# Altium PCB HIVE_BOARD.PcbDoc (part 5 of 9) (continued)
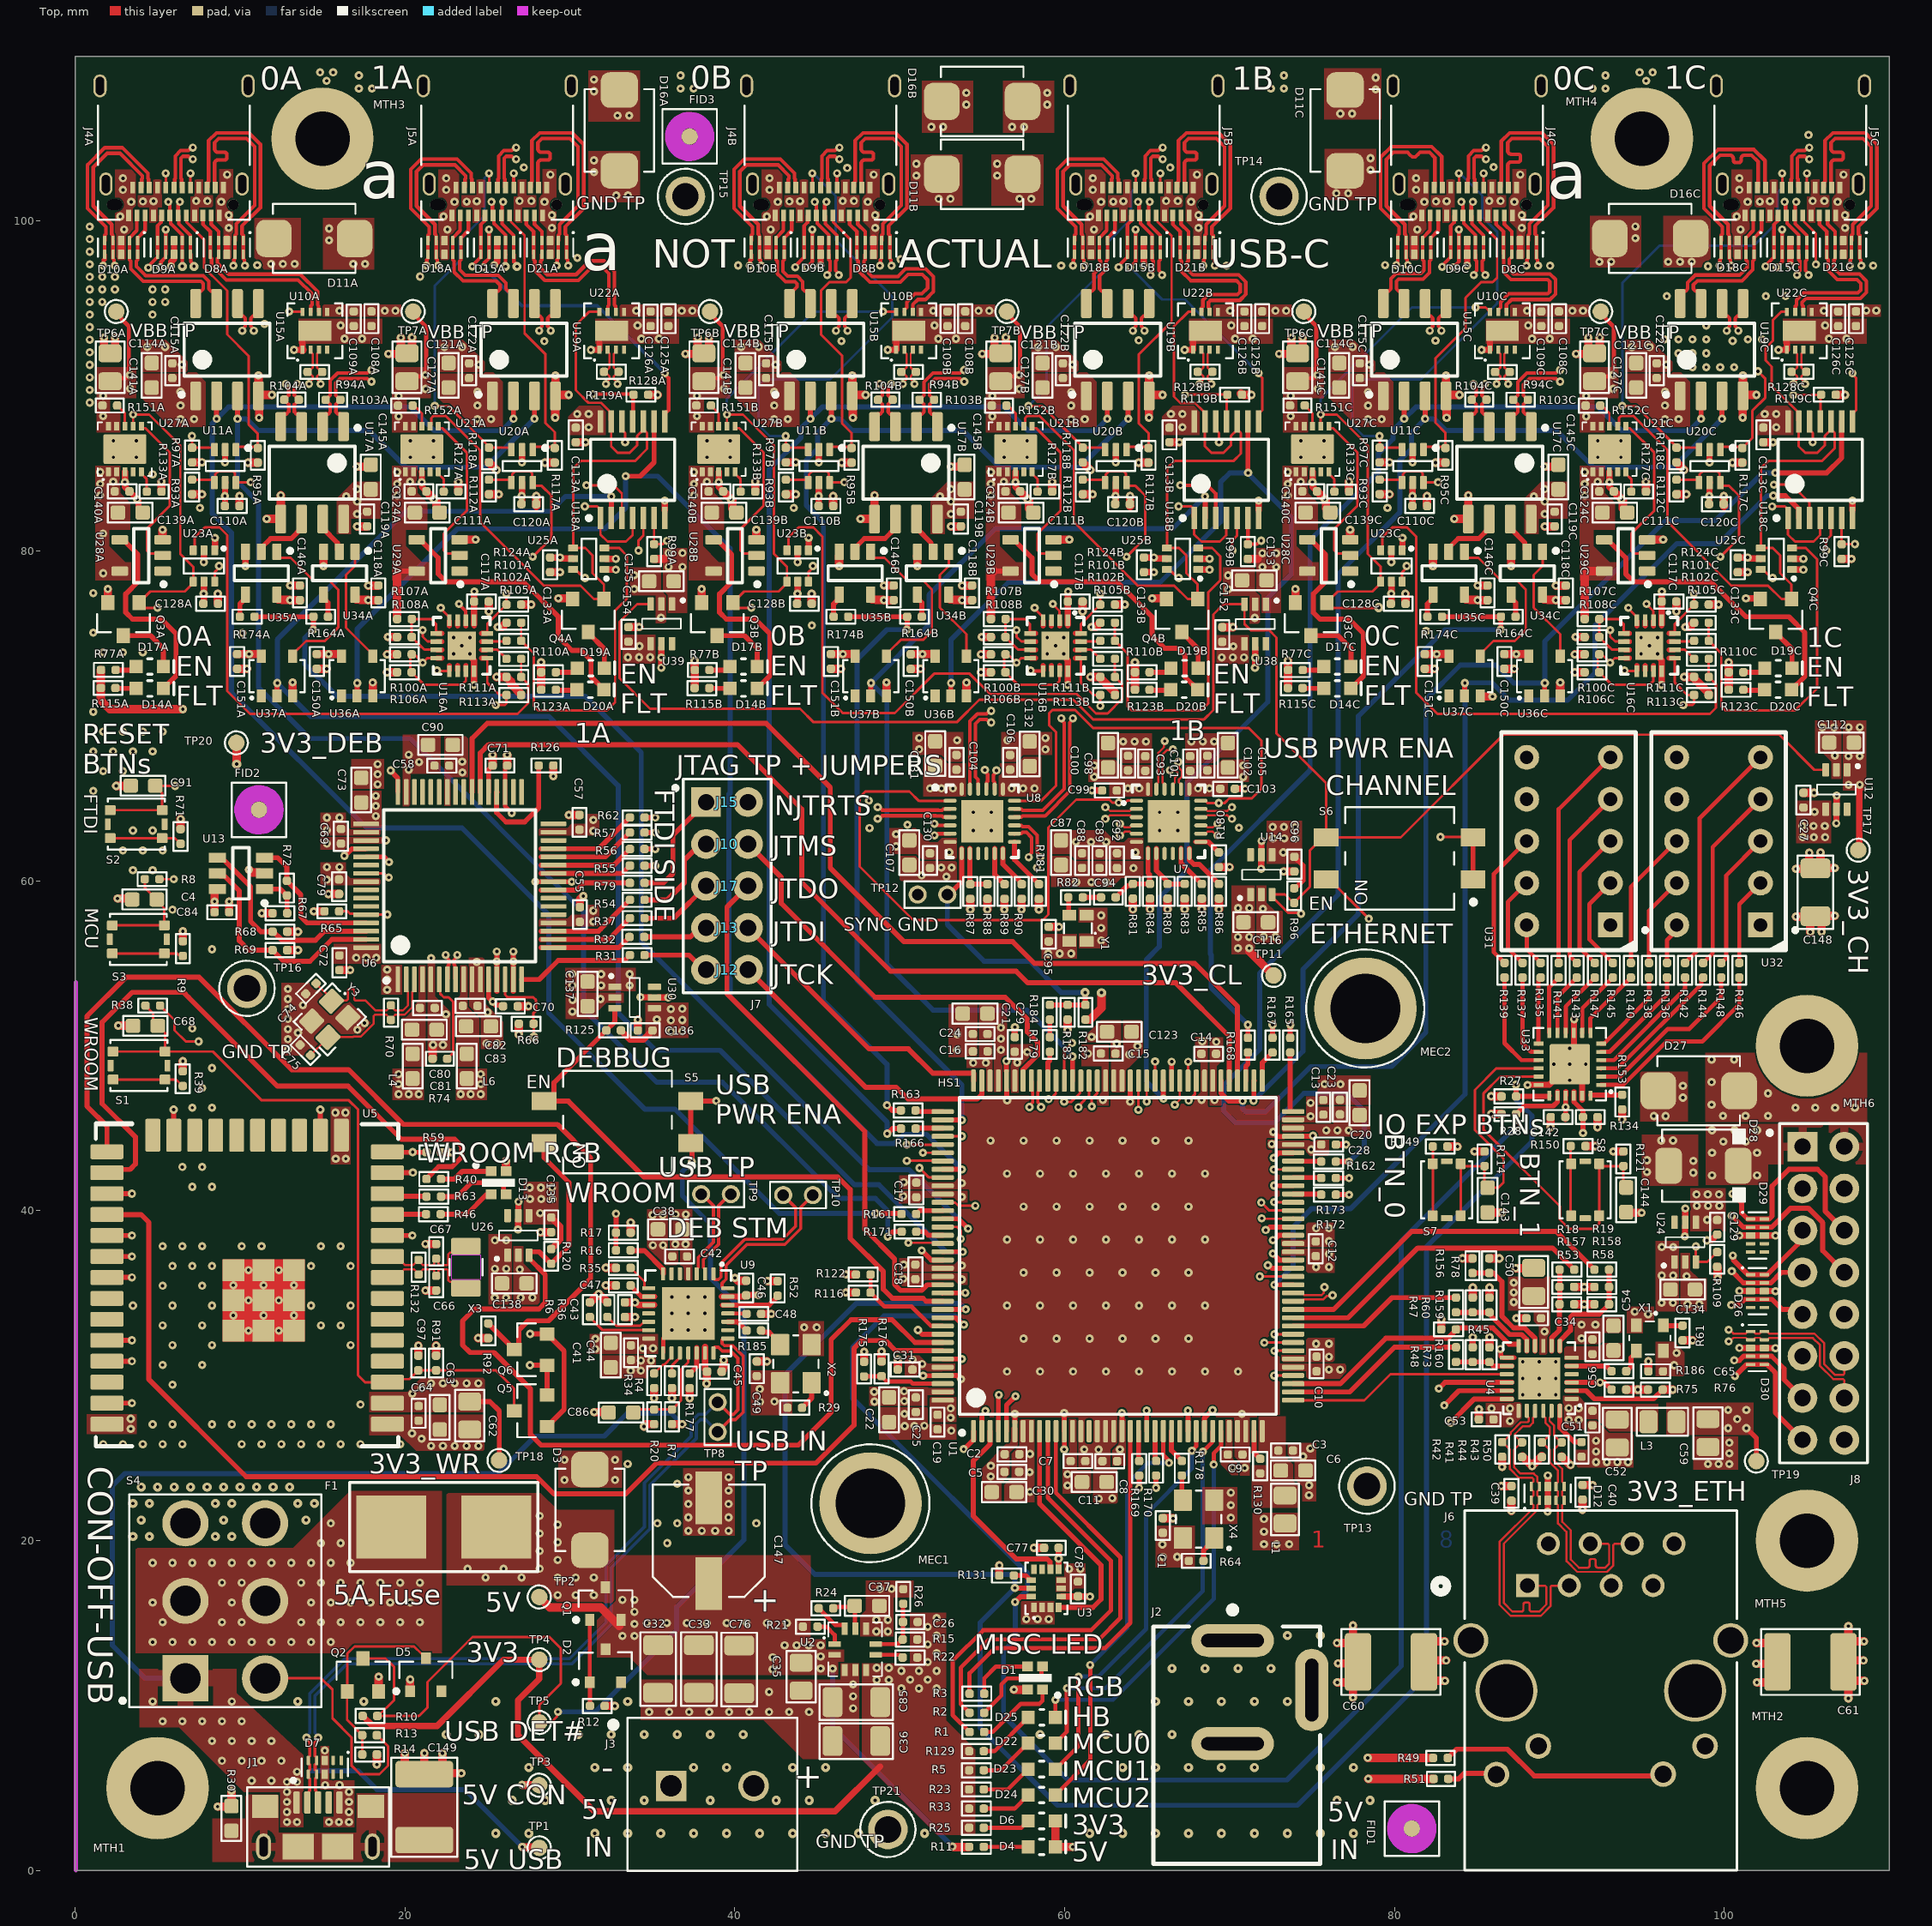
[diagram p0: Top view]
## Nets (pads, with @x,y where several pads share a name; then routed paths per layer and width w, separated by ;. In a path a pad name is that pad's centre, name@x,y a point inside that pad or via, vN(x,y) a via of type N, cw(c..) or ccw(c..) an arc to the next point about the centre after c; other vN are vias at no path point) (continued)
CHAN_EN_1A: U1.114 U25A.6 | length 47.3
  Top w0.152: U25A.6@30.2,78.88 30.334,78.747 30.475,78.747 30.856,78.366 v1(30.918,78.366) ; v1(51.404,43.523) 51.408,43.519 52.597,43.519 U1.114@52.601,43.514
  Signal_2 w0.152: v1(30.918,78.366) 32.647,76.637 33.599,76.637 37.469,72.767 43.934,66.302 43.934,48.788 49.199,43.523 v1(51.404,43.523)
CHAN_EN_1B: U1.84 U25B.6 | length 41.7
  Top w0.152: U25B.6@66.2,78.88 66.334,78.747 66.475,78.747 66.856,78.366 v1(66.918,78.366)
  Top w0.305: U1.84@66.482,47.895 v1@66.482,49.033
  Signal_2 w0.152: v1(66.487,49.039) 67,48.526 67.641,48.526 68.326,49.211 70.819,49.211 71.899,50.292 71.899,53.433 75.7,57.234 75.7,66.659 66.918,75.441 v1(66.918,78.366)
CHAN_EN_1C: U1.52 U25C.6 | length 67.2
  Top w0.152: v1(71.831,36.017) U1.52@73.438,36.019 ; U25C.6@102.2,78.88 102.334,78.747 102.475,78.747 102.856,78.366 v1(102.918,78.366)
  Signal_2 w0.152: v1(71.831,36.017) 71.831,35.12 73.339,33.612 79.561,33.612 86.686,40.737 86.686,48.319 90.943,52.576 94.366,55.999 94.366,67.417 96.348,69.399 98.072,69.399 102.918,74.245 v1(102.918,78.366)
CHAN_FLAG_0A: U27A.6 U28A.2 | length 10.1
  Top w0.152: U27A.6@4.023,87.567 4.023,87.452 4.025,87.45 4.262,87.45 5.748,85.963 5.748,82.74 4.352,81.344 4.352,80.032 4.531,79.853 5.191,79.853 U28A.2@5.313,79.731
CHAN_FLAG_0B: U27B.6 U28B.2 | length 10.1
  Top w0.152: U27B.6@40.023,87.567 40.023,87.452 40.025,87.45 40.262,87.45 41.748,85.963 41.748,82.74 40.352,81.344 40.352,80.032 40.531,79.853 41.191,79.853 U28B.2@41.313,79.731
CHAN_FLAG_0C: U27C.6 U28C.2 | length 10.1
  Top w0.152: U27C.6@76.023,87.567 76.023,87.452 76.025,87.45 76.262,87.45 77.748,85.963 77.748,82.74 76.352,81.344 76.352,80.032 76.531,79.853 77.191,79.853 U28C.2@77.313,79.731
CHAN_FLAG_1A: U21A.6 U29A.2 | length 10.1
  Top w0.152: U21A.6@22.023,87.567 22.023,87.452 22.025,87.45 22.262,87.45 23.748,85.963 23.748,83.313 23.748,82.449 22.352,81.053 22.352,80.032 22.531,79.853 23.191,79.853 U29A.2@23.313,79.731
CHAN_FLAG_1B: U21B.6 U29B.2 | length 10.1
  Top w0.152: U21B.6@58.023,87.567 58.023,87.452 58.025,87.45 58.262,87.45 59.748,85.963 59.748,83.313 59.748,82.449 58.352,81.053 58.352,80.032 58.531,79.853 59.191,79.853 U29B.2@59.313,79.731
CHAN_FLAG_1C: U21C.6 U29C.2 | length 10.1
  Top w0.152: U21C.6@94.023,87.567 94.023,87.452 94.025,87.45 94.262,87.45 95.748,85.963 95.748,83.313 95.748,82.449 94.352,81.053 94.352,80.032 94.531,79.853 95.191,79.853 U29C.2@95.313,79.731
CHAN_FLT#_0A: D14A.K U28A.4 | length 12.5
  Top w0.305: U28A.4@2.713,80.681 2.938,80.681 3.086,80.533 3.086,80.518 3.81,79.794 3.81,78.13 3.075,77.395 3.075,76.275 3.48,75.87 5.241,75.87 6.121,74.99 6.121,72.432 D14A.K@5.355,71.666
CHAN_FLT#_0B: D14B.K U28B.4 | length 12.5
  Top w0.305: U28B.4@38.713,80.681 38.938,80.681 39.086,80.533 39.086,80.518 39.81,79.794 39.81,78.13 39.075,77.395 39.075,76.275 39.48,75.87 41.241,75.87 42.121,74.99 42.121,72.432 D14B.K@41.355,71.666
CHAN_FLT#_0C: D14C.K U28C.4 | length 12.5
  Top w0.305: U28C.4@74.713,80.681 74.938,80.681 75.086,80.533 75.086,80.518 75.81,79.794 75.81,78.13 75.075,77.395 75.075,76.275 75.48,75.87 77.241,75.87 78.121,74.99 78.121,72.432 D14C.K@77.355,71.666
CHAN_FLT#_1A: D20A.K U29A.4 | length 17
  Top w0.305: U29A.4@20.713,80.681 20.938,80.681 21.061,80.558 21.061,80.539 22.013,79.587 22.013,78.614 22.497,78.13 27.187,78.13 29.301,76.016 29.301,74.796 30.126,73.972 30.688,73.972 31.285,73.375 31.285,72.377 D20A.K@32.073,71.589
CHAN_FLT#_1B: D20B.K U29B.4 | length 17.2
  Top w0.305: U29B.4@56.713,80.681 56.938,80.681 57.061,80.558 57.061,80.539 58.013,79.587 58.013,78.614 58.497,78.13 63.187,78.13 65.301,76.016 65.301,74.86 66.059,74.102 66.879,74.102 67.304,73.677 67.304,72.358 D20B.K@68.073,71.589
CHAN_FLT#_1C: D20C.K U29C.4 | length 18.9
  Top w0.305: U29C.4@92.713,80.681 92.938,80.681 93.061,80.558 93.061,80.539 94.013,79.587 94.013,78.614 94.497,78.13 99.187,78.13 101.301,76.016 103.913,76.016 104.862,75.067 104.862,72.379 D20C.K@104.073,71.589
CHAN_IRQ_0A: R93A.2 U1.123 U11A.4 U11A.6 | length 110.5
  Top w0.152: R93A.2@7.095,84.329 8.404,84.329 8.452,84.281 U11A.4@8.452,84.146 8.499,84.193 8.499,84.653 8.692,84.846 9.573,84.846 9.704,84.715 9.704,84.193 U11A.6@9.752,84.146 9.752,84.167 v1(10.64,84.167) ; U1.123@52.601,39.014 52.609,39.022 53.482,39.022 53.696,38.809 v1(53.696,38.303)
  Signal_2 w0.152: v1(10.64,84.167) 10.64,82.986 9.6,81.946 6.867,81.946 4.115,79.194 4.115,76.04 7.592,72.563 7.592,69.696 0.746,62.851 0.746,48.89 5.387,44.249 33.475,44.249 38.506,39.218 41.808,39.218 45.426,35.6 47.957,35.6 48.545,35.012 50.347,35.012 53.639,38.303 v1(53.696,38.303)
CHAN_IRQ_0B: R93B.2 U1.95 U11B.4 U11B.6 | length 58.8
  Top w0.152: R93B.2@43.095,84.329 44.404,84.329 44.452,84.281 U11B.4@44.452,84.146 44.499,84.193 44.499,84.653 44.692,84.846 45.573,84.846 45.704,84.715 45.704,84.193 U11B.6@45.752,84.146 45.752,84.167 v1(46.64,84.167) ; v1(59.969,46.609) 60.401,46.609 60.929,47.137 60.929,47.842 U1.95@60.976,47.889
  Signal_2 w0.152: v1(46.64,84.167) 46.64,82.986 45.6,81.946 42.844,81.946 39.545,78.647 39.545,75.278 49.31,65.512 49.31,57.267 54.667,51.911 57.142,51.911 59.969,49.083 v1(59.969,46.609)
CHAN_IRQ_0C: R93C.2 U1.65 U11C.4 U11C.6 | length 65
  Top w0.152: v1(72.679,42.499) 72.687,42.507 73.844,42.507 U1.65@73.851,42.514 ; R93C.2@79.095,84.329 80.404,84.329 80.452,84.281 U11C.4@80.452,84.146 80.499,84.193 80.499,84.653 80.692,84.846 81.573,84.846 81.704,84.715 81.704,84.193 U11C.6@81.752,84.146 81.752,84.167 v1(82.64,84.167)
  Signal_2 w0.152: v1(72.679,42.499) 73.719,41.46 79.396,41.46 81.367,43.431 81.367,49.744 83.973,52.35 83.973,67.245 76.161,75.056 76.161,78.75 79.357,81.946 81.6,81.946 82.64,82.986 v1(82.64,84.167)
CHAN_IRQ_1A: R112A.2 U1.115 U20A.4 U20A.6 | length 60.1
  Top w0.152: R112A.2@25.095,84.329 26.404,84.329 U20A.4@26.452,84.281 ; U20A.4@26.452,84.146 26.499,84.193 U20A.4@26.499,84.281 ; U20A.4@26.499,84.329 26.499,84.653 26.692,84.846 27.573,84.846 27.704,84.715 27.704,84.193 U20A.6@27.752,84.146 27.752,84.069 27.875,83.945 28.294,83.945 28.888,83.351 28.888,80.787 v1(27.752,79.651) ; v1(50.427,43.031) 50.443,43.047 52.569,43.047 U1.115@52.601,43.014
  Signal_2 w0.152: v1(27.752,79.651) 27.752,77.578 33.201,72.129 35.42,72.129 42.543,65.006 42.543,48.916 48.428,43.031 v1(50.427,43.031)
CHAN_IRQ_1B: R112B.2 U1.82 U20B.4 U20B.6 | length 48.9
  Top w0.152: R112B.2@61.095,84.329 62.404,84.329 U20B.4@62.452,84.281 ; U20B.4@62.452,84.146 62.499,84.193 U20B.4@62.499,84.281 ; U20B.4@62.499,84.329 62.499,84.653 62.692,84.846 63.573,84.846 63.704,84.715 63.704,84.193 U20B.6@63.752,84.146 63.752,84.069 63.875,83.945 64.294,83.945 64.888,83.351 64.888,80.787 v1(63.752,79.651) ; U1.82@67.482,47.895 v1@67.482,49.033
  Signal_2 w0.152: v1(63.752,79.651) 64.6,78.803 64.6,75.672 74.838,65.433 74.838,57.632 69.003,51.796 67.487,50.281 v1(67.487,49.039)
CHAN_IRQ_1C: R112C.2 U1.45 U20C.4 U20C.6 | length 80.6
  Top w0.152: v1@72.713,32.514 U1.45@73.851,32.514 ; R112C.2@97.095,84.329 98.404,84.329 U20C.4@98.452,84.281 ; U20C.4@98.452,84.146 98.499,84.193 U20C.4@98.499,84.281 ; U20C.4@98.499,84.329 98.499,84.653 98.692,84.846 99.573,84.846 99.704,84.715 99.704,84.193 U20C.6@99.752,84.146 99.752,84.069 99.875,83.945 100.294,83.945 100.888,83.351 100.888,80.787 v1(99.752,79.651)
  Signal_2 w0.152: v1(72.71,32.511) 80.43,32.511 82.532,34.613 88.214,40.296 88.214,43.104 95.758,50.648 95.758,67.719 96.654,68.615 98.446,68.615 103.784,73.952 103.784,79.313 102.788,80.308 100.409,80.308 v1(99.752,79.651)
CHAN_OV_0A: R105A.2 R111A.2 U23A.3 | length 34.7
  Top w0.152: U23A.3@7.162,80.041 7.25,80.129 7.25,80.816 7.868,81.434 8.755,81.434 9.22,80.969 9.22,71.504 10.601,70.123 26.821,70.123 27.479,70.781 27.479,71.505 27.476,71.508 27.476,71.936 R111A.2@27.047,72.365 R105A.2@27.047,73.461
CHAN_OV_0B: R105B.2 R111B.2 U23B.3 | length 36.5
  Top w0.152: U23B.3@43.162,80.041 43.25,80.129 43.25,80.816 43.868,81.434 44.755,81.434 45.3,80.889 45.3,71.424 46.544,70.18 49.702,70.18 52.082,72.561 54.241,72.561 55.467,71.335 60.72,71.335 61.9,70.155 62.602,70.155 63.477,71.03 63.477,71.935 R111B.2@63.047,72.365 R105B.2@63.047,73.461
CHAN_OV_0C: R105C.2 R111C.2 U23C.3 | length 34.8
  Top w0.152: U23C.3@79.162,80.041 79.25,80.129 79.25,80.816 79.868,81.434 80.755,81.434 81.3,80.889 81.3,71.424 82.601,70.123 99.116,70.123 99.479,70.486 99.479,71.505 99.476,71.508 99.476,71.936 R111C.2@99.047,72.365 R105C.2@99.047,73.461
CHAN_OV_1A: R101A.2 R102A.2 U25A.3 | length 21.4
  Top w0.152: R101A.2@27.047,75.654 R102A.2@27.047,74.557 27.808,73.797 27.808,70.592 28.067,70.333 32.24,70.333 32.741,70.833 32.741,76.389 33.461,77.109 33.461,79.719 32.999,80.18 U25A.3@32.1,80.18
CHAN_OV_1B: R101B.2 R102B.2 U25B.3 | length 21.3
  Top w0.152: R101B.2@63.047,75.654 R102B.2@63.047,74.557 63.808,73.797 63.808,70.592 64.067,70.333 68.282,70.333 68.707,70.758 68.707,77.5 69.432,78.225 69.432,79.681 68.933,80.18 U25B.3@68.1,80.18
CHAN_OV_1C: R101C.2 R102C.2 U25C.3 | length 21.5
  Top w0.152: R101C.2@99.047,75.654 R102C.2@99.047,74.557 99.808,73.797 99.808,70.592 100.067,70.333 104.282,70.333 105.614,71.664 105.614,79.499 104.933,80.18 U25C.3@104.1,80.18
CHAN_RESET_0A: U1.113 U18A.5 | length 47.7
  Top w0.152: v1(34.164,80.031) 34.164,80.643 34.455,80.934 U18A.5@34.455,82 ; v1(50.427,44.008) 50.43,44.011 52.598,44.011 U1.113@52.601,44.014
  Signal_2 w0.152: v1(34.164,80.031) 34.778,79.417 34.778,77.44 45.116,67.101 45.116,48.986 48.341,45.761 49.572,45.761 50.423,44.91 50.423,44.011 v1(50.427,44.008)
CHAN_RESET_0B: U1.83 U18B.5 | length 45.9
  Top w0.127: v1(66.675,46.431) 66.976,46.732 U1.83@66.976,47.889
  Top w0.152: v1(70.164,80.031) 70.164,80.643 70.455,80.934 U18B.5@70.455,82
  Signal_2 w0.127: v1(66.675,46.431) 66.694,46.45 66.694,46.782 68.233,48.321 71.483,48.321 73.136,49.974
  Signal_2 w0.152: v1(70.164,80.031) 70.807,79.388 70.807,75.009 76.562,69.254 76.562,56.802 73.136,53.375 73.136,49.974
CHAN_RESET_0C: U1.44 U18C.5 | length 75.8
  Top w0.152: v1@72.107,32.01 U1.44@73.851,32.01 ; v1(106.164,80.031) 106.164,80.643 106.455,80.934 U18C.5@106.455,82
  Signal_2 w0.152: v1(72.104,32.007) 73.518,32.007 75.891,29.635 79.881,29.635 84.241,33.994 87.602,33.994 89.044,35.437 89.044,43.096 98.415,52.466 98.415,67.123 106.164,74.872 v1(106.164,80.031)
CHAN_RESET_1A: U1.112 U18A.12 | length 53
  Top w0.152: U18A.12@33.155,87.85 33.155,87.35 33.254,87.251 33.261,87.251 33.35,87.162 v1(33.35,86.594) ; U1.112@52.601,44.514 52.604,44.517 53.765,44.517 v1(53.768,44.519)
  Signal_2 w0.152: v1(33.35,86.594) 37.306,82.639 37.306,76.108 46.368,67.045 46.368,51.919 v1(53.768,44.519)
CHAN_RESET_1B: U1.81 U18B.12 | length 52.7
  Top w0.152: v1(67.513,46.685) 67.908,47.08 67.908,47.821 U1.81@67.982,47.895 ; U18B.12@69.155,87.85 69.155,87.35 69.254,87.251 69.261,87.251 69.35,87.162 v1(69.35,86.594)
  Signal_2 w0.152: v1(67.513,46.685) 68.151,47.323 71.91,47.323 74.432,49.845 74.432,53.63 77.516,56.714 77.516,70.202 73.374,74.345 73.374,82.571 71.546,84.398 71.546,84.915 71.296,85.166 70.778,85.166 v1(69.35,86.594)
CHAN_RESET_1C: U1.43 U18C.12 | length 84.5
  Top w0.152: v1@72.713,31.514 U1.43@73.851,31.514 ; U18C.12@105.155,87.85 105.155,87.35 105.254,87.251 105.261,87.251 105.35,87.162 v1(105.35,86.594)
  Signal_2 w0.152: v1(72.71,31.511) 75.555,28.665 80.454,28.665 84.641,32.853 88.429,32.853 90.581,35.004 90.581,39.546 94.603,43.568 94.603,45.764 100.02,51.181 100.02,66.843 108.477,75.3 108.477,83.468 v1(105.35,86.594)
CLK_0A_N: R94A.1 U7.4 U10A.2 | length 87.9
  Top w0.127: R94A.1@14.093,90.856 R94A.1@14.141,90.856 ; v1(14.186,90.125) 14.186,90.187 14.41,90.411 14.41,90.591 14.336,90.665 14.331,90.665 R94A.1@14.141,90.856 ; U10A.2@14.286,92.201 14.286,92.076 14.409,91.953 14.409,91.402 14.41,91.401 14.41,91.121 14.336,91.046 14.331,91.046 R94A.1@14.141,90.856 ; v1(63.348,63.464) 63.41,63.464 63.634,63.24 63.943,63.24 64.066,63.363 U7.4@64.354,63.363
  Signal_1 w0.102: v1(14.186,90.125) 14.186,90.185 14.385,90.384 14.385,90.864 14.704,91.184 15.333,91.184 15.88,90.636 15.88,87.534 13.415,85.069 13.415,80.964 11.59,79.14 11.59,74.806 17.884,68.512 39.601,68.512 41.501,66.612 42.452,65.661 42.452,61.261 45.347,58.367 53.271,58.367 55.062,60.157 55.062,61.339 56.988,63.265 63.064,63.265 63.263,63.464 v1(63.348,63.464)
CLK_0A_P: R94A.2 U7.5 U10A.3 | length 87.9
  Top w0.127: U10A.3@14.786,92.201 14.786,92.076 14.663,91.953 14.663,91.507 14.664,91.506 14.664,91.121 14.739,91.046 14.743,91.046 R94A.2@14.934,90.856 ; v1@14.889,90.187 14.664,90.411 14.664,90.591 14.739,90.665 14.743,90.665 R94A.2@14.934,90.856 ; R94A.2@14.982,90.856 R94A.2@14.934,90.856 ; v1(63.348,62.762) 63.41,62.762 63.634,62.986 63.943,62.986 64.066,62.863 U7.5@64.354,62.863
  Signal_1 w0.102: v1(14.889,90.125) 14.889,90.185 14.69,90.384 14.69,90.738 14.83,90.879 15.207,90.879 15.576,90.51 15.576,90.043 15.576,89.736 cw(c15.469,89.736) 15.469,89.629 15.307,89.629 ccw(c15.307,89.523) 15.201,89.523 15.201,89.38 ccw(c15.307,89.38) 15.307,89.274 15.469,89.274 cw(c15.469,89.167) 15.576,89.167 15.576,89.116 15.576,87.66 13.11,85.195 13.11,81.091 11.286,79.266 11.286,74.679 17.757,68.208 39.474,68.208 41.07,66.612 41.285,66.397 42.148,65.534 42.148,61.135 45.221,58.062 53.397,58.062 53.856,58.52 55.367,60.031 55.367,61.213 57.115,62.961 63.064,62.961 63.263,62.762 v1(63.348,62.762)
CLK_0B_N: R94B.1 U7.2 U10B.2 | length 87.9
  Top w0.127: R94B.1@50.093,90.856 R94B.1@50.141,90.856 ; v1(50.186,90.125) 50.186,90.187 50.41,90.411 50.41,90.591 50.336,90.665 50.331,90.665 R94B.1@50.141,90.856 ; U10B.2@50.286,92.201 50.286,92.076 50.409,91.953 50.409,91.402 50.41,91.401 50.41,91.121 50.336,91.046 50.331,91.046 R94B.1@50.141,90.856 ; v1(62.466,64.464) 62.528,64.464 62.752,64.24 63.943,64.24 64.066,64.363 U7.2@64.354,64.363
  Signal_1 w0.102: 47.418,87.122 47.218,86.922 ccw(c47.368,86.771) 47.217,86.62 48.812,85.025 ; 47.418,87.122 cw(c47.569,86.972) 47.721,87.122 49.368,85.475 ccw(c49.735,85.84) 50.102,85.474 50.302,85.675 ccw(c49.936,86.041) 50.347,86.357 50.347,86.363 48.694,88.016 ; 48.694,88.017 cw(c48.844,88.168) 48.694,88.319 ; 48.694,88.319 48.894,88.519 ; 48.812,84.29 48.669,84.147 48.304,83.782 47.536,83.782 47.166,83.412 47.166,83.032 47.362,82.836 49.929,82.836 50.666,82.099 50.666,80.078 49.836,79.248 48.748,79.248 47.071,80.924 46.253,80.924 45.619,80.29 45.619,78.699 45.619,78.496 ccw(c45.832,78.496) 45.832,78.282 47.924,78.282 cw(c47.924,77.764) 48.442,77.764 48.442,77.48 cw(c47.924,77.48) 47.924,76.962 45.832,76.962 ccw(c45.832,76.748) 45.619,76.748 45.619,76.006 45.619,75.823 47.621,73.821 47.621,66.012 47.892,65.741 48.016,65.741 48.219,65.741 ccw(c48.219,65.954) 48.433,65.954 48.433,70.844 cw(c48.951,70.844) 48.951,71.362 49.235,71.362 cw(c49.235,70.844) 49.753,70.844 49.753,65.954 ccw(c49.967,65.954) 49.967,65.741 50.621,65.741 52.465,67.585 57.383,67.585 60.703,64.265 62.183,64.265 62.382,64.464 v1(62.466,64.464) ; 48.812,84.29 ccw(c48.447,84.657) 48.812,85.024 ; 48.894,88.519 cw(c49.046,88.369) 49.196,88.52 50.753,86.964 ccw(c51.119,87.33) 51.486,86.964 51.799,87.277 ccw(c51.692,87.385) 51.8,87.278 51.863,87.341 51.863,87.501 51.863,90.711 51.631,90.942 51.542,91.031 50.794,91.031 50.385,90.622 50.385,90.384 50.186,90.185 v1(50.186,90.125)
CLK_0B_P: R94B.2 U7.3 U10B.3 | length 87.9
  Top w0.127: U10B.3@50.786,92.201 50.786,92.076 50.663,91.953 50.663,91.507 50.664,91.506 50.664,91.121 50.739,91.046 50.743,91.046 R94B.2@50.934,90.856 ; v1@50.889,90.187 50.664,90.411 50.664,90.591 50.739,90.665 50.743,90.665 R94B.2@50.934,90.856 ; R94B.2@50.982,90.856 R94B.2@50.934,90.856 ; v1(62.466,63.762) 62.528,63.762 62.752,63.986 63.943,63.986 64.066,63.863 U7.3@64.354,63.863
  Signal_1 w0.102: 47.003,86.403 cw(c47.368,86.771) 47.002,87.137 47.202,87.338 cw(c47.569,86.972) 47.885,87.383 47.891,87.383 47.935,87.339 ; 47.003,86.403 48.597,84.809 cw(c48.447,84.657) 48.598,84.507 ; 47.936,87.338 49.585,85.689 ccw(c49.735,85.84) 49.886,85.69 ; 48.597,84.506 48.454,84.363 48.178,84.087 47.41,84.087 46.861,83.538 46.861,82.906 47.236,82.532 49.802,82.532 50.361,81.973 50.361,80.204 49.709,79.553 48.874,79.553 47.197,81.229 46.126,81.229 45.314,80.417 45.314,78.699 45.314,78.496 ccw(c45.832,78.496) 45.832,77.978 47.924,77.978 cw(c47.924,77.764) 48.138,77.764 48.138,77.48 cw(c47.924,77.48) 47.924,77.266 45.832,77.266 ccw(c45.832,76.748) 45.314,76.748 45.314,76.006 45.314,75.697 47.317,73.695 47.317,65.886 47.766,65.436 48.016,65.436 48.219,65.436 ccw(c48.219,65.954) 48.737,65.954 48.737,70.844 cw(c48.951,70.844) 48.951,71.058 49.235,71.058 cw(c49.235,70.844) 49.449,70.844 49.449,65.954 ccw(c49.967,65.954) 49.967,65.436 50.621,65.436 50.747,65.436 52.591,67.28 57.257,67.28 60.577,63.961 62.183,63.961 62.382,63.762 v1(62.466,63.762) ; 49.887,85.69 50.086,85.89 ccw(c49.936,86.041) 50.087,86.193 48.478,87.801 cw(c48.844,88.168) 48.478,88.535 48.679,88.735 cw(c49.046,88.369) 49.412,88.735 50.968,87.18 ; v1(50.889,90.125) 50.889,90.185 50.69,90.384 50.69,90.496 50.921,90.726 51.416,90.726 51.558,90.584 51.558,89.862 51.558,89.456 cw(c51.451,89.456) 51.451,89.349 51.29,89.349 ccw(c51.29,89.242) 51.184,89.242 51.184,89.1 ccw(c51.29,89.1) 51.29,88.993 51.451,88.993 cw(c51.451,88.887) 51.558,88.887 51.558,88.624 51.558,87.806 51.558,87.467 51.271,87.18 cw(c51.119,87.33) 50.968,87.179
CLK_0C_N: R94C.1 U7.22 U10C.2 | length 87.9
  Top w0.127: U7.22@66.054,65.563 66.054,65.851 65.931,65.974 65.931,67.663 66.2,67.933 66.517,67.933 v1(66.561,67.976) ; R94C.1@86.093,90.856 R94C.1@86.141,90.856 ; v1(86.186,90.125) 86.186,90.187 86.41,90.411 86.41,90.591 86.336,90.665 86.331,90.665 R94C.1@86.141,90.856 ; U10C.2@86.286,92.201 86.286,92.076 86.409,91.953 86.409,91.402 86.41,91.401 86.41,91.121 86.336,91.046 86.331,91.046 R94C.1@86.141,90.856
  Signal_1 w0.102: v1(66.561,67.976) 66.621,68.036 66.621,68.318 67.896,69.592 69.943,69.592 71.162,69.592 cw(c71.162,69.379) 71.376,69.379 71.376,67.439 ccw(c71.894,67.439) 71.894,66.921 72.178,66.921 ccw(c72.178,67.439) 72.696,67.439 72.696,70.007 cw(c72.91,70.007) 72.91,70.22 73.194,70.22 cw(c73.194,70.007) 73.408,70.007 73.408,67.439 ccw(c73.926,67.439) 73.926,66.921 74.21,66.921 ccw(c74.21,67.439) 74.728,67.439 74.728,70.007 cw(c74.942,70.007) 74.942,70.22 75.226,70.22 cw(c75.226,70.007) 75.44,70.007 75.44,67.439 ccw(c75.958,67.439) 75.958,66.921 76.242,66.921 ccw(c76.242,67.439) 76.76,67.439 76.76,70.007 cw(c76.974,70.007) 76.974,70.22 77.258,70.22 cw(c77.258,70.007) 77.472,70.007 77.472,67.439 ccw(c77.99,67.439) 77.99,66.921 78.274,66.921 ccw(c78.274,67.439) 78.792,67.439 78.792,69.379 cw(c79.006,69.379) 79.006,69.592 80.057,69.592 80.311,69.592 83.665,72.946 83.665,77.976 84.013,78.324 84.156,78.467 ccw(c84.049,78.575) 84.157,78.468 ccw(c83.79,78.834) 84.201,79.149 84.201,79.155 82.977,80.38 ; 82.976,80.38 cw(c83.127,80.531) 82.976,80.682 ; 82.977,80.683 83.176,80.882 cw(c83.328,80.732) 83.479,80.883 84.659,79.703 ccw(c85.026,80.069) 85.393,79.704 85.67,79.981 ccw(c85.563,80.089) 85.671,79.982 85.814,80.125 87.862,82.173 87.862,83.785 87.862,83.988 ccw(c87.344,83.988) 87.344,84.506 84.478,84.506 cw(c84.478,84.72) 84.265,84.72 84.265,85.004 cw(c84.478,85.004) 84.478,85.217 87.663,85.217 ccw(c87.663,85.736) 88.181,85.736 88.181,86.02 ccw(c87.663,86.02) 87.663,86.538 84.478,86.538 cw(c84.478,86.752) 84.265,86.752 84.265,87.036 cw(c84.478,87.036) 84.478,87.249 87.344,87.249 ccw(c87.344,87.768) 87.862,87.768 87.862,88.489 87.862,90.927 87.375,91.415 86.716,91.415 86.385,91.083 86.385,90.384 86.186,90.185 v1(86.186,90.125)
CLK_0C_P: R94C.2 U7.23 U10C.3 | length 87.9
  Top w0.127: U7.23@65.554,65.563 65.554,65.851 65.677,65.974 65.677,67.769 66.021,68.112 66.021,68.429 v1(66.064,68.473) ; U10C.3@86.786,92.201 86.786,92.076 86.663,91.953 86.663,91.507 86.664,91.506 86.664,91.121 86.739,91.046 86.743,91.046 R94C.2@86.934,90.856 ; v1@86.889,90.187 86.664,90.411 86.664,90.591 86.739,90.665 86.743,90.665 R94C.2@86.934,90.856 ; R94C.2@86.982,90.856 R94C.2@86.934,90.856
  Signal_1 w0.102: v1(66.064,68.473) 66.124,68.533 66.406,68.533 67.77,69.897 69.943,69.897 71.162,69.897 cw(c71.162,69.379) 71.68,69.379 71.68,67.439 ccw(c71.894,67.439) 71.894,67.225 72.178,67.225 ccw(c72.178,67.439) 72.392,67.439 72.392,70.007 cw(c72.91,70.007) 72.91,70.525 73.194,70.525 cw(c73.194,70.007) 73.712,70.007 73.712,67.439 ccw(c73.926,67.439) 73.926,67.225 74.21,67.225 ccw(c74.21,67.439) 74.424,67.439 74.424,70.007 cw(c74.942,70.007) 74.942,70.525 75.226,70.525 cw(c75.226,70.007) 75.744,70.007 75.744,67.439 ccw(c75.958,67.439) 75.958,67.225 76.242,67.225 ccw(c76.242,67.439) 76.456,67.439 76.456,70.007 cw(c76.974,70.007) 76.974,70.525 77.258,70.525 cw(c77.258,70.007) 77.776,70.007 77.776,67.439 ccw(c77.99,67.439) 77.99,67.225 78.274,67.225 ccw(c78.274,67.439) 78.488,67.439 78.488,69.379 cw(c79.006,69.379) 79.006,69.897 80.057,69.897 80.185,69.897 83.36,73.073 83.36,78.102 83.797,78.539 83.94,78.682 ccw(c83.79,78.834) 83.94,78.985 82.761,80.165 cw(c83.127,80.531) 82.761,80.898 82.961,81.098 cw(c83.328,80.732) 83.695,81.098 84.874,79.919 ; 84.874,79.919 ccw(c85.026,80.069) 85.177,79.919 85.455,80.197 cw(c85.563,80.089) 85.456,80.198 85.599,80.341 87.558,82.3 87.558,83.785 87.558,83.988 ccw(c87.344,83.988) 87.344,84.201 84.478,84.201 cw(c84.478,84.72) 83.96,84.72 83.96,85.004 cw(c84.478,85.004) 84.478,85.522 87.663,85.522 ccw(c87.663,85.736) 87.876,85.736 87.876,86.02 ccw(c87.663,86.02) 87.663,86.233 84.478,86.233 cw(c84.478,86.752) 83.96,86.752 83.96,87.036 cw(c84.478,87.036) 84.478,87.554 87.344,87.554 ccw(c87.344,87.768) 87.558,87.768 87.558,88.489 87.558,89.039 87.558,89.09 ccw(c87.451,89.09) 87.451,89.196 87.016,89.196 cw(c87.016,89.303) 86.909,89.303 86.909,89.445 cw(c87.016,89.445) 87.016,89.552 87.451,89.552 ccw(c87.451,89.658) 87.558,89.658 87.558,89.939 87.558,90.801 87.249,91.11 86.843,91.11 86.69,90.957 86.69,90.384 86.889,90.185 v1(86.889,90.125)
CLK_1A_N: R128A.1 U7.20 U22A.2 | length 87.9
  Top w0.127: R128A.1@32.093,90.856 R128A.1@32.141,90.856 ; v1(32.186,90.125) 32.186,90.187 32.41,90.411 32.41,90.591 32.336,90.665 32.331,90.665 R128A.1@32.141,90.856 ; U22A.2@32.286,92.201 32.286,92.076 32.409,91.953 32.409,91.402 32.41,91.401 32.41,91.121 32.336,91.046 32.331,91.046 R128A.1@32.141,90.856 ; v1(66.883,67.213) 66.926,67.169 66.926,66.852 67.106,66.673 67.106,66.328 66.931,66.153 66.931,65.974 67.054,65.851 U7.20@67.054,65.563
  Signal_1 w0.102: 32.159,98.668 32.114,98.712 32.108,98.712 ccw(c31.793,98.301) 31.426,98.667 31.226,98.467 ccw(c31.592,98.1) 31.226,97.733 33.224,95.734 cw(c33.074,95.583) 33.225,95.432 33.082,95.288 32.36,94.566 32.36,90.384 32.186,90.211 v1(32.186,90.125) ; 32.159,98.667 34.174,96.653 ccw(c34.324,96.804) 34.475,96.654 ; 32.663,99.169 cw(c33.028,99.537) 32.662,99.903 32.863,100.104 cw(c33.23,99.738) 33.545,100.149 33.551,100.149 33.596,100.105 ; 32.663,99.169 34.675,97.157 cw(c34.525,97.005) 34.676,96.854 34.476,96.654 ; 33.596,100.104 35.595,98.105 ; 35.596,98.105 ccw(c35.747,98.255) 35.898,98.105 36.788,98.994 cw(c36.896,98.887) 36.789,98.995 36.838,99.045 37.026,99.045 45.423,99.045 45.977,98.49 50.442,98.49 50.966,97.967 50.966,93.606 53.31,91.262 53.31,86.929 51.941,85.56 51.941,79.832 52.631,79.142 52.631,71.084 54.843,68.873 55.834,68.873 56.22,69.259 56.89,69.259 57.529,68.619 57.953,68.195 58.602,67.546 59.06,67.546 59.29,67.776 66.038,67.776 66.542,67.273 66.823,67.273 v1(66.883,67.213)
CLK_1A_P: R128A.2 U7.21 U22A.3 | length 87.9
  Top w0.127: U22A.3@32.786,92.201 32.786,92.076 32.663,91.953 32.663,91.507 32.664,91.506 32.664,91.121 32.739,91.046 32.743,91.046 R128A.2@32.934,90.856 ; v1@32.889,90.187 32.664,90.411 32.664,90.591 32.739,90.665 32.743,90.665 R128A.2@32.934,90.856 ; R128A.2@32.982,90.856 R128A.2@32.934,90.856 ; v1(66.386,66.716) 66.43,66.672 66.747,66.672 66.852,66.568 66.852,66.433 66.677,66.259 66.677,65.974 66.554,65.851 U7.21@66.554,65.563
  Signal_1 w0.102: 31.441,98.251 ccw(c31.592,98.1) 31.44,97.949 33.44,95.95 cw(c33.074,95.583) 33.44,95.215 33.297,95.072 32.664,94.44 32.664,92.126 32.664,91.745 ccw(c32.771,91.745) 32.771,91.638 33.154,91.638 cw(c33.154,91.531) 33.26,91.531 33.26,91.389 cw(c33.154,91.389) 33.154,91.282 32.771,91.282 ccw(c32.771,91.176) 32.664,91.176 32.664,90.769 32.664,90.409 32.889,90.185 v1(32.889,90.125) ; 31.441,98.251 31.641,98.451 cw(c31.793,98.301) 31.944,98.451 33.957,96.439 ccw(c34.324,96.804) 34.691,96.438 34.891,96.639 ccw(c34.525,97.005) 34.936,97.321 34.936,97.327 34.892,97.371 ; 33.078,99.888 32.878,99.688 ccw(c33.028,99.537) 32.877,99.386 34.891,97.372 ; 33.078,99.888 cw(c33.23,99.738) 33.381,99.888 35.379,97.89 ccw(c35.747,98.255) 36.114,97.889 ; 36.114,97.889 36.964,98.74 37.064,98.74 45.296,98.74 45.851,98.185 50.295,98.185 50.661,97.819 50.661,93.48 53.005,91.136 53.005,87.055 51.636,85.686 51.636,79.706 52.327,79.015 52.327,70.958 54.716,68.568 55.96,68.568 56.346,68.954 56.763,68.954 57.224,68.493 57.63,68.087 58.476,67.242 59.186,67.242 59.416,67.472 65.912,67.472 66.326,67.057 66.326,66.776 v1(66.386,66.716)
CLK_1B_N: R128B.1 U7.16 U22B.2 | length 87.9
  Top w0.127: R128B.1@68.093,90.856 R128B.1@68.141,90.856 ; v1(68.186,90.125) 68.186,90.187 68.41,90.411 68.41,90.591 68.336,90.665 68.331,90.665 R128B.1@68.141,90.856 ; U7.16@68.254,63.863 68.542,63.863 68.665,63.986 69.855,63.986 70.08,63.762 v1(70.141,63.762) ; U22B.2@68.286,92.201 68.286,92.076 68.409,91.953 68.409,91.402 68.41,91.401 68.41,91.121 68.336,91.046 68.331,91.046 R128B.1@68.141,90.856
  Signal_1 w0.102: v1(68.186,90.125) 68.186,90.193 68.385,90.392 68.385,95.116 72.35,99.081 84.5,99.081 84.847,98.735 89.709,98.735 90.177,98.267 90.177,92.451 88.781,91.055 88.781,89.981 89.738,89.024 89.845,88.916 90.104,88.657 90.104,82.356 90.104,82.152 ccw(c90.318,82.152) 90.318,81.939 92.233,81.939 cw(c92.233,81.421) 92.751,81.421 92.751,81.136 cw(c92.233,81.136) 92.233,80.618 90.318,80.618 ccw(c90.318,80.405) 90.104,80.405 90.104,79.574 90.104,78.889 88.301,77.086 88.301,71.791 86.8,70.289 83.653,70.289 77.324,63.961 70.425,63.961 70.226,63.762 v1(70.141,63.762)
CLK_1B_P: R128B.2 U7.17 U22B.3 | length 87.9
  Top w0.127: U7.17@68.254,64.363 68.542,64.363 68.665,64.24 69.855,64.24 70.08,64.464 v1(70.141,64.464) ; U22B.3@68.786,92.201 68.786,92.076 68.663,91.953 68.663,91.507 68.664,91.506 68.664,91.121 68.739,91.046 68.743,91.046 R128B.2@68.934,90.856 ; v1@68.889,90.187 68.664,90.411 68.664,90.591 68.739,90.665 68.743,90.665 R128B.2@68.934,90.856 ; R128B.2@68.982,90.856 R128B.2@68.934,90.856
  Signal_1 w0.102: v1(68.889,90.125) 68.889,90.185 68.69,90.384 68.69,90.601 68.69,90.779 68.69,91.028 cw(c68.796,91.028) 68.796,91.135 69.463,91.135 ccw(c69.463,91.241) 69.57,91.241 69.57,91.384 ccw(c69.463,91.384) 69.463,91.49 68.796,91.49 cw(c68.796,91.597) 68.69,91.597 68.69,91.847 68.69,94.99 72.476,98.776 84.374,98.776 84.72,98.43 89.583,98.43 89.872,98.14 89.872,92.577 89.53,92.235 89.25,91.955 88.476,91.181 88.476,89.854 89.8,88.531 89.8,82.356 89.8,82.152 ccw(c90.318,82.152) 90.318,81.634 92.233,81.634 cw(c92.233,81.421) 92.446,81.421 92.446,81.136 cw(c92.233,81.136) 92.233,80.923 90.318,80.923 ccw(c90.318,80.405) 89.8,80.405 89.8,79.574 89.8,79.015 87.997,77.212 87.997,71.917 86.673,70.594 83.526,70.594 77.198,64.265 70.425,64.265 70.226,64.464 v1(70.141,64.464)